# KiCad board HPM6P41_BB.kicad_pcb (continued)
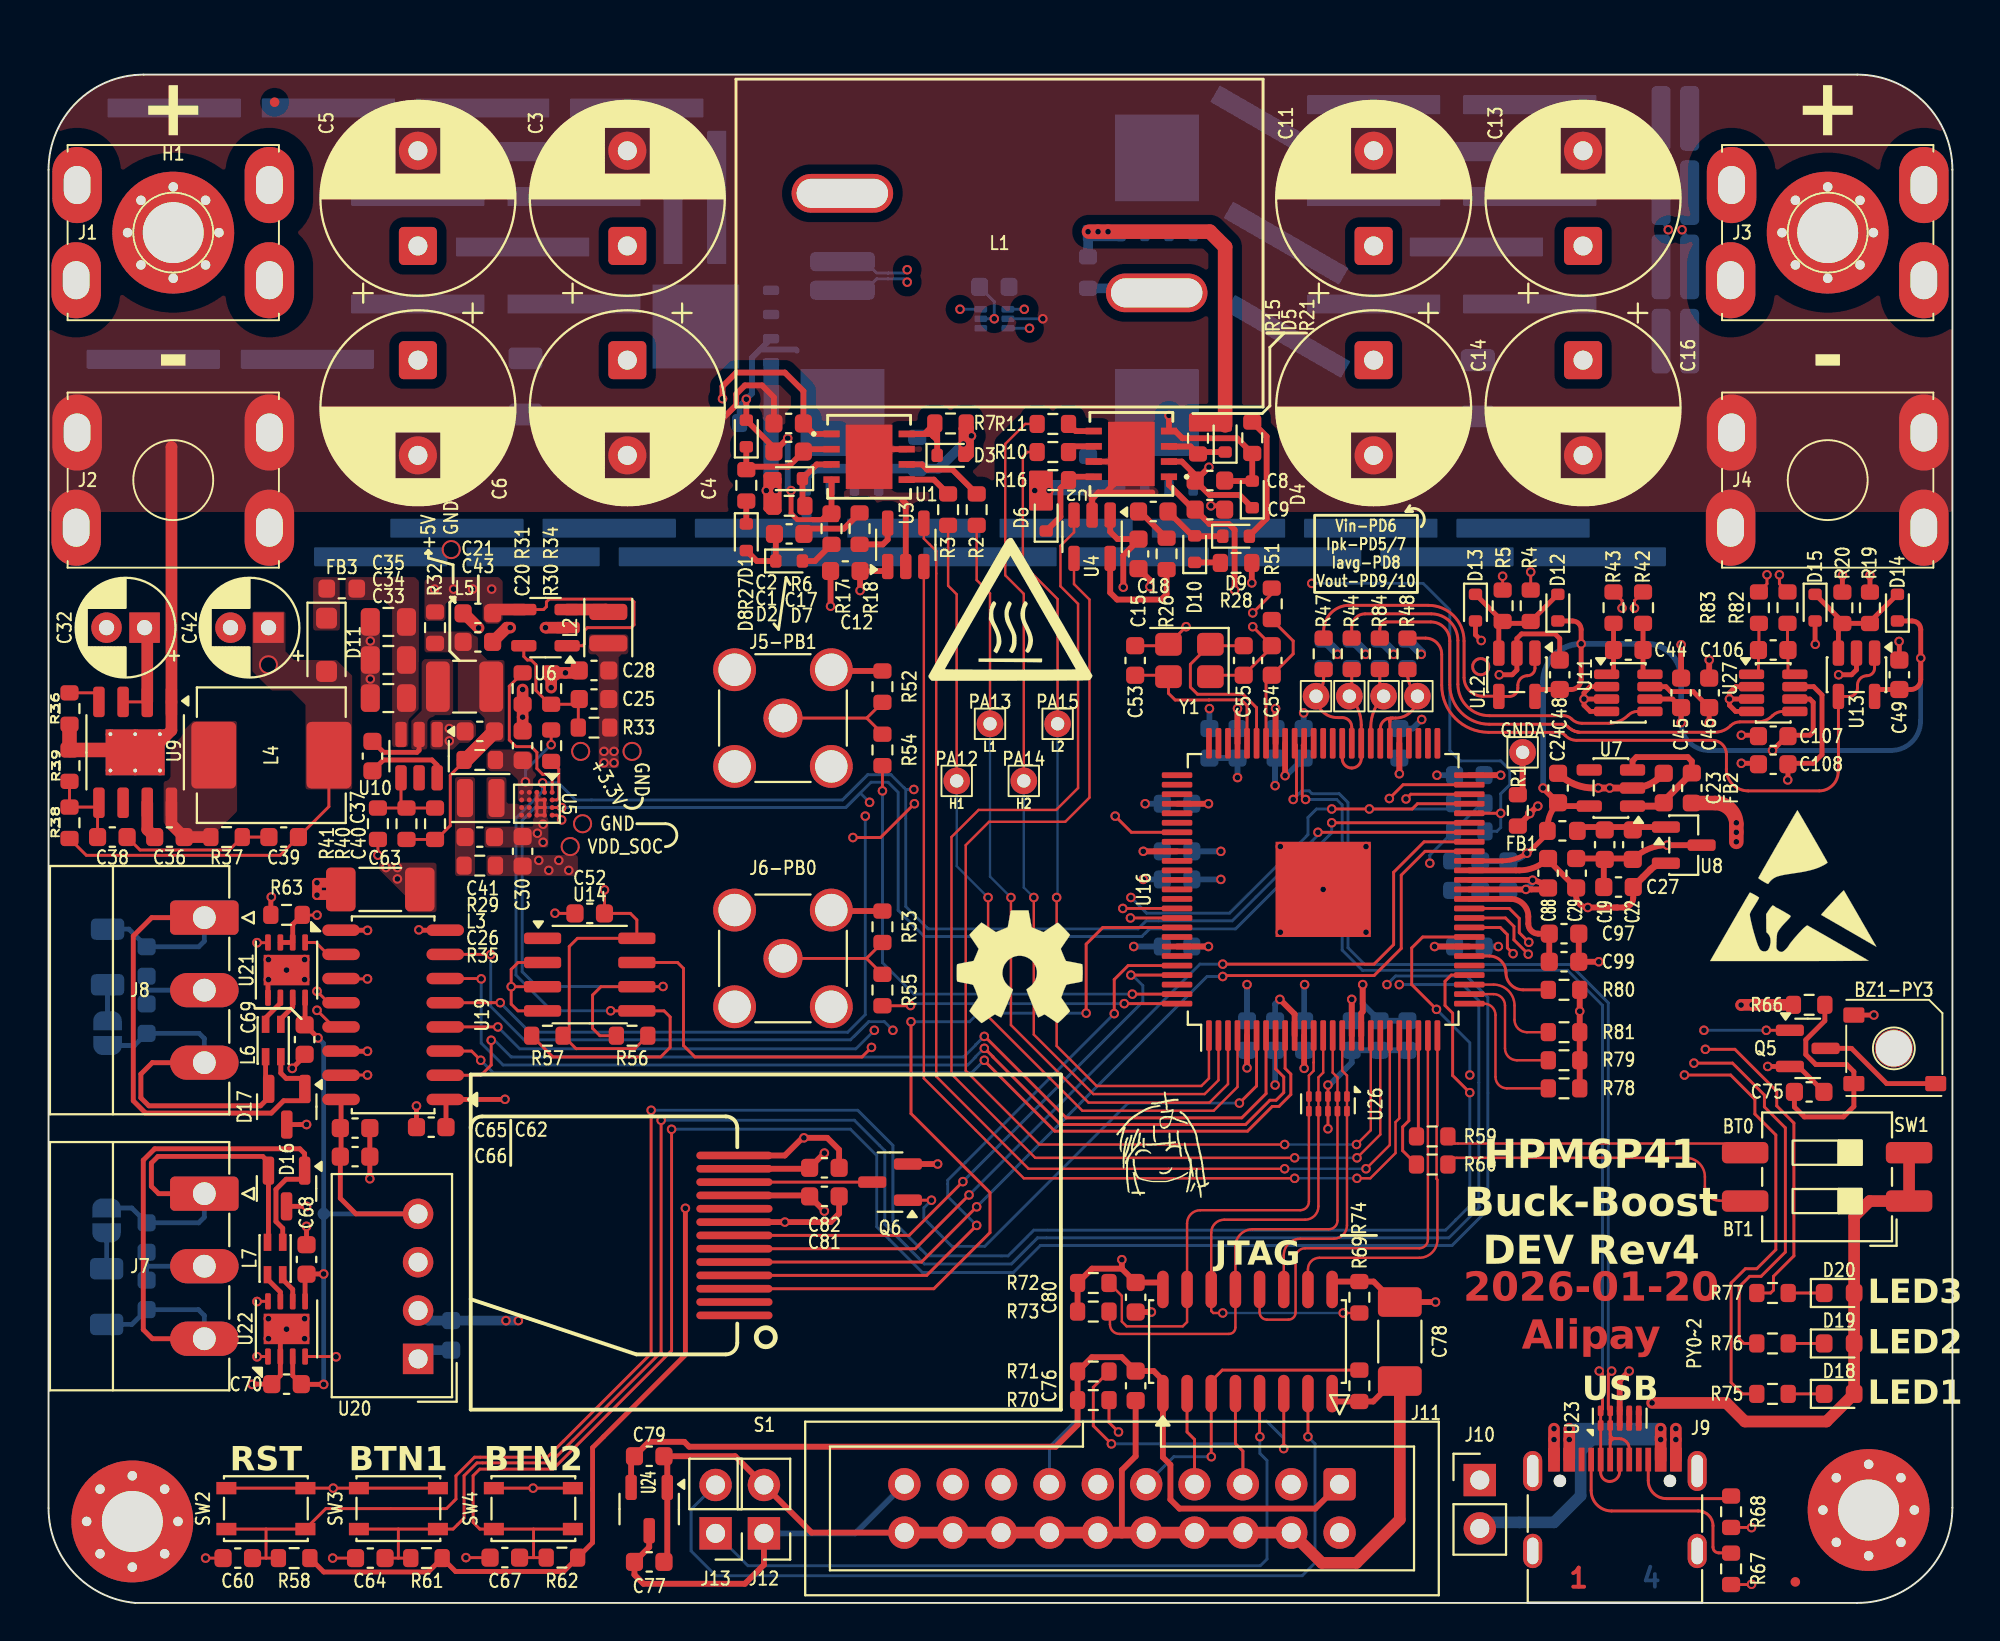
[diagram p0: board, top side]
## Routing (per net, layer and track width the routed paths; a pad name or vN(x,y) marks a point on that pad's centre or on a via; arc(x,y) is an arc through that point) (continued)
VBUS: length 24.7
  Top w0.305: U23.7 U23.4 ; 84.53,8.73 v1(84.68,8.58) ; U23.6 U23.5
  Top w0.61: v1(84.68,9.16) v1(84.68,8.58) J9.A9 ; J9.A4 v1(79.88,8.58) v1(79.88,9.16)
  Bottom w0.61: 75.18,3.93 75.47,4.23 79.08,4.23 80.47,5.63 80.47,7.98 ; 81.08,8.58 v1(79.88,8.58) 80.47,7.98 ; 81.08,8.58 v1(84.68,8.58) ; 81.08,8.58 80.47,7.98 ; v1(79.88,9.16) v1(84.68,9.16)
VDD_SOC: length 21.9
  Top w0.152: U5.A4 26.7,41.38 v1(26.95,41.13)
  Top w0.305: U16.5 v1(62.95,28.11) ; 74.62,43.48 v1(76.28,43.48) ; v1(65.95,28.08) U16.11 ; U16.84 v1(57.5,39.48) ; U16.68 v1(64.45,46.98) ; U16.72 v1(62.45,46.98)
  In2.Cu w0.152: v1(26.8,39) 26.95,39.16 26.95,39.41 ; v1(26.95,41.13) 26.95,39.41 ; 26.95,39.41 arc(27.01,39.26) 27.15,39.2 ; 26.95,39.41 arc(26.89,39.26) 26.75,39.2 26.7,39.2
  Bottom w0.305: v1(76.28,43.48) C91.1 ; v1(62.95,28.11) C87.1 ; v1(65.95,28.08) C90.1 ; v1(64.45,46.98) C92.1 ; C100.1 v1(57.5,38) ; v1(57.5,39.48) C96.1 ; v1(62.45,46.98) C94.1 ; C98.1 v1(60.97,46.98)
  vias: v1(25.75,39) v1(26.28,38.48) v1(27.33,38.48) v2(27.4,39.73)
VIN: length 104.2
  Top w0.152: v1(76.38,53.93) 76.38,53.11 ; U9.3 5.19,47.33
  Top w0.61: 5.19,47.33 5.19,51.09 C32.1
  In2.Cu w0.152: v1(76.38,53.93) 76.78,53.93 77.28,54.43 77.28,76.48 74.97,78.78 33.33,78.78 31.65,77.11 31.65,75.81 30.4,74.56 C3.1
  In2.Cu w0.61: C32.1 5.04,70.47 H1.1
/BB/G1: length 27.7
  Top w0.305: 38.15,59.25 37.75,59.25 37.7,59.2 v1(37.7,58.43) 37.7,57.48 37.85,57.33 ; 37.95,59.13 37.95,58.03 38.08,57.91 R6.2 38.2,57.76 D2.2 38.33,59.05 38.35,59.03 38.35,57.38 38.3,57.33
  Bottom w0.305: v1(38.2,58.43) 38.2,64.89 Q1.4 ; Q1.4 37.7,64.89 v1(37.7,58.43) ; Q1.4 37.95,58.43
/BB/G2: length 17
  Top w0.305: 48.25,60.08 48.45,60.28 48.45,61.73 48.23,61.95 R7.2 ; R7.2 48.08,61.83 D3.2 48.15,60.28 48.3,60.43 48.3,61.58 ; R7.2 48.2,61.93 47.95,61.68 47.95,60.43
  Bottom w0.508: Q2.4 39.8,59.18 40.2,59.58 46.75,59.58 v1(48.05,60.88) v1(48.47,61.3)
/BB/G3: length 19.7
  Top w0.305: R15.2 60.53,61.86 D5.2
  Top w0.762: 54.65,72.03 v1(55.12,72.03) v1(55.65,72.03) 61,72.03 61.8,71.23 D5.2
  Bottom w0.508: 54.6,70.7 v1(54.6,72.03)
/BB/G4: length 1.5
  Top w0.305: R16.2 51.93,58.18 52.4,57.7
  vias: v1(51.8,58.43) v1(52.55,58.43)
/BB/InputVsense+: length 7.4
  Top w0.254: D12.2 77.92,51.63 arc(77.87,51.55) 77.85,51.45 76.38,51.45 ; 76.38,51.45 76.18,51.45 U12.3 ; 76.38,51.45 arc(76.36,51.55) 76.3,51.63 D13.1
/BB/ISENSE2+: length 25
  Top w0.152: v1(90.26,54) 90.26,53.53 R83.1
  In2.Cu w0.152: v1(85.08,72.13) 85.29,71.92 85.29,66.5 86.46,65.33 88.96,65.33 90.44,63.85 90.44,54.18 v1(90.26,54)
  Bottom w0.152: R23.1 84.7,73.04 arc(84.8,72.55) v1(85.08,72.13)
/BB/OutputVsense+: length 7.4
  Top w0.254: 94.21,51.45 94.01,51.45 U13.3 ; 94.21,51.45 95.69,51.45 arc(95.71,51.55) 95.76,51.63 D14.2 ; 94.21,51.45 arc(94.19,51.55) 94.14,51.63 D15.1
/BB/S3: length 12.3
  Top w0.305: v1(58.85,62.38) U2.4 59.18,61.55 59.56,61.18 62.43,61.18 R21.2 D4.2 61.8,58.93 C8.2
  Bottom w0.508: L1.2 57.97,69.06 R13.1
/ISENSE+: length 94.9
  Top w0.152: v1(82.65,52.25) 82.65,52.66 R43.1
  Top w0.254: R17.2 40.95,57.26 40.59,56.9 40.15,56.9 ; 40.15,56.9 41.4,56.9 41.4,56.91 ; 40.15,56.9 40.13,56.92 40.12,56.9 39.33,56.9 39,57.23 v1(39,58.43)
  Top w0.305: 41.12,59.01 R17.2 ; v1(36.65,63.23) D1.2 38.1,60.68 C1.2 38.13,60.48 v1(38.83,61.18)
  In2.Cu w0.152: v1(45.1,69.38) 44.8,69.68 44.8,69.69 44.65,69.84 44.65,70.22 44.8,70.37 44.8,72.24 50.71,78.16 74.66,78.16 76.6,76.22 76.6,55.99 75.28,54.67 75.28,53.59 76.61,52.25 v1(82.65,52.25)
  Bottom w0.152: R12.1 42.9,68.95 43.5,69.55 44.93,69.55 v1(45.1,69.38)
  Bottom w0.305: 37.39,65.84 36.95,65.41 36.95,63.53 v1(36.65,63.23) 36.3,62.88 R8.1 ; 37.39,65.84 Q1.3 ; 37.39,65.84 39.23,65.84 39.3,65.78 ; v1(38.83,61.18) 38.83,58.61 v1(39,58.43)
/ISENSE-: length 73.5
  Top w0.152: R42.1 83.3,52.66 v1(83.3,52.25)
  In2.Cu w0.152: v1(83.3,52.25) 83,51.95 82.99,51.95 82.84,51.8 82.46,51.8 82.31,51.95 76.49,51.95 74.97,53.46 74.97,54.79 76.3,56.12 76.3,76.09 74.54,77.85 50.84,77.85 45.1,72.11 v1(45.1,70.03)
  Bottom w0.152: v1(45.1,70.03) 44.93,69.86 43.5,69.86 42.9,70.45 R12.2
/J_TCK: length 27.4
  Top w0.127: v1(61.68,15.23) 61.18,15.23 61.07,15.34 U25.14 61.07,19.45 arc(61.27,19.93) 61.75,20.13 66,20.13 arc(66.49,20.34) 66.7,20.83 U26.7 U26.4 66.7,27.61 66.95,27.86 U16.13 ; R74.2 v1(68,15.23)
  Bottom w0.127: v1(68,15.23) v1(61.68,15.23)
/J_TDI: length 28
  Top w0.127: U16.14 67.45,27.86 67.7,27.61 U26.2 U26.9 67.7,20.08 arc(67.57,19.76) 67.25,19.63 63.25,19.63 arc(62.61,19.36) 62.34,18.72 U25.13 62.34,14.47 arc(62.24,14.23) 62,14.13 56.25,14.13 arc(55.9,14.28) 55.75,14.63 55.75,15.25 arc(55.74,15.29) R73.2
/J_TDO: length 16.1
  Top w0.127: U25.11 64.88,18.26 arc(65.13,18.88) 65.75,19.13 67.5,19.13 arc(67.99,19.34) 68.2,19.83 U26.10 U26.1 68.2,27.7 67.95,27.95 U16.15
/J_TMS: length 27
  Top w0.127: U16.12 66.45,28.39 66.44,28.39 66.44,27.95 66.2,27.7 U26.5 U26.6 66.2,21.08 arc(66.07,20.76) 65.75,20.63 60.5,20.63 arc(60.01,20.42) 59.8,19.93 U25.15 59.8,14.75 59.58,14.53 56.62,14.53 56.38,14.78 56.38,16.13 R72.2
/MCU_MISC2/CON_RX: length 38.7
  Top w0.152: U25.5 63.61,8.75 v1(63.62,8.73)
  Bottom w0.152: J13.1 36.73,1.95 63.65,1.95 64,2.31 64,7.48 63.62,7.86 v1(63.62,8.73)
/MCU_MISC2/CON_TCK: length 16
  Top w0.152: v1(61.08,7.68) 61.07,7.69 U25.3 61.07,11.65 61.65,12.23 R69.2
  Bottom w0.152: J11.9 59.1,7.68 v1(61.08,7.68)
/MCU_MISC2/CON_TDI: length 18.3
  Top w0.152: U25.4 62.34,8.36 62.73,7.97 J11.5 ; R71.2 54.88,11.33 54.88,9.31 v1(55.83,8.36)
  Bottom w0.152: J11.5 62.73,7.97 62.35,8.36 v1(55.83,8.36)
/MCU_MISC2/CON_TDO: length 18.6
  Top w0.152: v1(64.88,8.11) 64.88,8.11 U25.6
  Bottom w0.152: v1(64.88,8.11) 64.88,8.66 63.97,9.56 53.93,9.56 52.57,8.2 J11.13
/MCU_MISC2/CON_TMS: length 13.3
  Top w0.152: v1(56.2,8.98) 55.7,9.48 R70.2 ; J11.7 60.19,8.59 59.8,8.98 U25.2
  In2.Cu w0.152: v1(56.2,8.98) 59.8,8.98 60.19,8.59 J11.7
/MCU_MISC2/CON_TX: length 46.6
  Top w0.152: v1(66.15,8.73) U25.7
  Bottom w0.152: J13.2 33.75,4.91 33.75,2.73 35.05,1.43 65.85,1.43 66.53,2.11 66.53,8.36 v1(66.15,8.73)
/MCU_MISC/485_DE_ISO: length 10.2
  Top w0.152: U19.13 14.97,30.26 v3(14.1,31.13) ; R63.2 13.34,36.13 v3(14.1,36.13)
  Top w0.254: R63.2 12.83,35.64 U21.2 12.18,34.69
  In2.Cu w0.152: v3(14.1,36.13) 14.1,32.93 14.65,32.38 14.65,31.88 14.1,31.33 v3(14.1,31.13)
/MCU_MISC/485_RX_ISO: length 2.1
  Top w0.152: U19.10 14.66,34.07 14.04,34.69 13.48,34.69
/MCU_MISC/485_TX_ISO: length 7.6
  Top w0.152: U19.12 14.7,31.53 v3(14.1,32.13) ; U21.4 11.51,34.68 v3(10.95,34.68)
  In2.Cu w0.152: v3(10.95,34.68) 10.95,32.38 11.2,32.13 v3(14.1,32.13)
/MCU_MISC/CAN_RXD_ISO: length 24.1
  Top w0.152: v3(16.75,32.78) 15.38,32.78 U19.11 ; 13.48,12.94 15.09,12.94 v3(15.1,12.93)
  In2.Cu w0.152: v3(15.1,12.93) 15.1,31.98 15.9,32.78 v3(16.75,32.78)
/MCU_MISC/CAN_STBY_ISO: length 26.7
  Top w0.152: v3(10.95,15.83) 10.96,15.84 U22.8
  Top w0.254: U19.14 15.37,28.98 v3(16.75,28.98)
  In2.Cu w0.152: v3(16.75,28.98) 15.9,28.98 15.5,28.58 15.5,13.33 15.6,13.23 15.6,12.68 15.35,12.43 14.85,12.43 14.35,12.93 11.7,12.93 10.95,13.68 v3(10.95,15.83)
/MCU_MISC/CAN_TXD_ISO: length 23.6
  Top w0.152: v3(16.75,27.73) 15.38,27.73 U19.15 ; U22.1 10.96,12.94 v3(10.95,12.93)
  In2.Cu w0.152: v3(16.75,27.73) 16,27.73 15.9,27.63 15.9,13.48 16,13.38 16,12.53 15.5,12.03 14.7,12.03 14.2,12.53 11.35,12.53 v3(10.95,12.93)
/MCU_MISC/RESETN: length 105.8
  Top w0.152: 74.62,32.98 73.68,32.98 73.35,32.66 73.35,31.38 73.75,30.98 73.75,27.7 v1(74.65,26.81) ; C60.2 11.43,2.36 ; 11.43,2.36 11.43,3.88 ; 11.43,2.36 R58.2 ; v1(31.65,25.88) 31.65,13.11 26.2,7.66 22.38,7.66 21.4,6.68 21.4,5.45 20.9,4.95 14.57,4.95 SW2.2 11.43,3.88 ; 11.43,3.88 SW2.2
  Bottom w0.152: v1(31.65,25.88) 42.5,25.88 44.35,24.03 44.35,20.06 46.18,18.23 50.4,18.23 51.75,19.58 73.38,19.58 74.65,20.86 v1(74.65,26.81)
/MCU_MISC/XTALI: length 9
  Top w0.152: U16.71 62.95,47.13 62.65,47.43 60.95,47.43 60.95,47.43 59.18,47.43 58.83,47.78 Y1.3 58.75,48.73 C53.1
/MCU_MISC/XTALO: length 10.3
  Top w0.152: C55.1 61.1,50.28 61.03,50.36 59.97,49.31 59.97,48.11 60.35,47.73 62.75,47.73 63.45,47.03 U16.70
/PA0: length 19.5
  Top w0.127: U16.25 72.95,25.08 72.91,25.04 72.91,22.27 72.95,22.23 72.95,19.08 arc(72.67,18.41) 72,18.13 66.75,18.13 arc(66.33,17.95) 66.15,17.53 U25.10
/PA1: length 24.6
  Top w0.127: U25.12 63.61,15.27 arc(63.72,14.99) 64,14.88 65.12,14.88 arc(65.39,14.99) 65.5,15.26 65.5,18.13 arc(65.65,18.48) 66,18.63 72,18.63 arc(72.32,18.76) 72.45,19.08 U16.24
/PA2: length 5.3
  Top w0.152: U16.23 71.95,24.6 R59.2
/PA3: length 7.2
  Top w0.152: R60.2 71.12,23.75 71.12,25 71.45,25.33 U16.22
/PA8: length 50.7
  Top w0.152: v1(49.15,28.5) 49.15,28.48 52.85,24.78 62.97,24.78 64.28,26.08 64.62,26.08 65.25,26.7 65.25,27.78 64.95,28.08 U16.9 ; U19.3 22.22,28.99 v1(22.7,28.5)
  Bottom w0.152: v1(49.15,28.5) 48.5,27.86 23.35,27.86 v1(22.7,28.5)
/PA9: length 53.8
  Top w0.152: v1(49.15,29.13) 49.32,28.96 49.34,28.96 49.6,28.69 49.6,28.68 53.15,25.13 62.88,25.13 64.15,26.41 64.47,26.41 64.88,26.81 64.88,27.63 64.45,28.05 U16.8 ; v1(22.73,32.78) 22.71,32.8 U19.6
  Bottom w0.152: v1(49.15,29.13) 48.98,28.96 48.96,28.96 48.7,28.69 48.7,28.68 48.27,28.25 23.88,28.25 22.73,29.41 v1(22.73,32.78)
/PA10: length 50.8
  Top w0.152: U16.7 63.95,26.75 62.68,25.48 53.45,25.48 49.17,29.76 v1(49.15,29.76) ; U19.2 22.71,27.72 23.25,28.25 v1(23.25,29.56)
  Bottom w0.152: v1(49.15,29.76) 48.98,29.59 48.96,29.59 48.7,29.32 48.7,29.3 48.07,28.68 24.3,28.68 23.43,29.56 v1(23.25,29.56)
/PA11: length 26.6
  Top w0.152: v1(62.55,26.25) 63.45,27.16 U16.6 ; Q6.1 v1(46.38,21.16)
  Bottom w0.152: v1(62.55,26.25) 56.7,26.25 49.18,18.73 47.45,18.73 45.98,20.2 45.98,20.75 v1(46.38,21.16)
/PA12: length 45
  Top w0.127: PA12.1 47.7,52.98 47.25,53.43 R3.2 ; U16.4 62.45,27.11 61.2,25.86 54.3,25.86 49.35,30.81 v1(49.35,37.06)
  Bottom w0.127: v1(49.35,37.06) 47.7,38.7 PA12.1
/PA13: length 43
  Top w0.127: v1(50.55,37.06) 50.55,30.36 54.62,26.28 60.97,26.28 61.95,27.26 U16.3 ; PA13.1 49.45,53.03 48.75,53.73 R2.2
  Bottom w0.127: v1(50.55,37.06) 49.45,38.16 PA13.1
/PA14: length 47.4
  Top w0.127: U16.2 61.45,27.45 60.72,26.73 54.88,26.73 51.75,29.86 v1(51.75,37.06) ; PA14.1 51.23,53 50.25,53.98 50.25,60.88 51.3,61.93 R11.2
  Bottom w0.127: PA14.1 51.23,37.58 v1(51.75,37.06)
/PA15: length 43.9
  Top w0.127: U16.1 60.95,27.56 60.55,27.16 55.05,27.16 52.95,29.25 v1(52.95,37.06) ; PA15.1 53,52.73 51.18,54.55 51.18,60.2 51.43,60.45 R10.2
  Bottom w0.127: v1(52.95,37.06) 53,37.11 PA15.1
/PA16: length 60.6
  Top w0.127: v1(68.72,22.31) 69.43,22.31 70.75,23.63 70.75,25.25 70.95,25.46 U16.21 ; v1(65.45,22.31) 51.23,22.31 45.97,27.56 U3.3
  Bottom w0.127: v1(65.45,22.31) v1(68.72,22.31)
/PA17: length 61.4
  Top w0.127: v1(64.93,22.81) 51.48,22.81 46.62,27.66 46.62,55.26 45.97,55.91 U3.4 ; U16.20 70.45,24.06 v1(69.2,22.81)
  Bottom w0.127: v1(64.93,22.81) v1(69.2,22.81)
/PA18: length 65.2
  Top w0.127: v1(65.45,23.38) 51.83,23.38 47.43,27.78 47.43,40.23 48.85,41.66 52.93,41.66 54.08,42.81 54.08,52.48 53.15,53.41 53.15,55.53 53.86,56.24 U4.3 ; U16.19 69.95,24.61 v1(68.72,23.38)
  Bottom w0.127: v1(65.45,23.38) v1(68.72,23.38)
/PA19: length 60.5
  Top w0.127: U16.18 69.45,24.83 v1(68.7,24.08) ; v1(64.93,24.08) 52.05,24.08 48.18,27.95 48.18,39.81 49.4,41.03 53.4,41.03 54.68,42.31 54.68,52.7 53.86,53.52 U4.4
  Bottom w0.127: v1(64.93,24.08) v1(68.7,24.08)
/PB0: length 15.5
  Top w0.152: v1(56.5,31.48) U16.100 ; v1(45.28,31.38) 45.26,31.37 R55.2
  Bottom w0.152: v1(45.28,31.38) 45.38,31.48 v1(56.5,31.48)
/PB1: length 26.5
  Top w0.152: v1(56.93,31.98) U16.99 ; R54.2 v1(43.8,42.66)
  Bottom w0.152: v1(43.8,42.66) 43.8,33.63 45.45,31.98 v1(56.93,31.98)
/PB3: length 30.7
  Top w0.152: v1(56.85,32.98) U16.97 ; v1(48.03,22.13) 45.2,19.31 S1.7
  Bottom w0.152: v1(48.03,22.13) 57.47,31.58 57.47,32.43 56.93,32.98 v1(56.85,32.98)
/PB4: length 34.6
  Top w0.152: U16.96 56.71,33.48 55.97,32.75 v1(55.97,30.95) ; v1(48.75,19.83) 46.13,17.21 S1.4
  Bottom w0.152: v1(55.97,30.95) 47.23,22.2 47.23,21.36 v1(48.75,19.83)
/PB13: length 45.6
  Top w0.152: S1.3 46.5,16.5 49.45,19.45 49.45,21.56 45.3,25.7 v1(45.3,30.53) ; U16.92 55.38,35.48 54.5,34.61 v1(54.5,30.98)
  Bottom w0.152: v1(45.3,30.53) 48.38,30.53 48.83,30.98 v1(54.5,30.98)
/PB14: length 48.3
  Top w0.152: U16.91 v1(56.83,35.98) ; U19.7 23.21,34.07 v1(23.23,34.06)
  In2.Cu w0.152: v1(44.35,30.08) 43.88,30.56 43.88,34.63 44.73,35.48 54.5,35.48 55,35.98 v1(56.83,35.98)
  Bottom w0.152: v1(23.23,34.06) 23.23,31.33 24.98,29.58 42.12,29.58 43.08,30.53 43.9,30.53 v1(44.35,30.08)
/PB15: length 44.8
  Top w0.152: v1(23.6,30.25) 23.6,30.26 U19.4 ; U16.90 v1(56.43,36.48)
  In2.Cu w0.152: v1(56.43,36.48) 54.83,36.48 54.28,35.93 44.48,35.93 43.38,34.83 v1(43.38,30.08)
  Bottom w0.152: v1(23.6,30.25) 24.75,29.11 42.4,29.11 v1(43.38,30.08)
/PC13: length 50.2
  Top w0.152: v1(56.03,41.33) 56.88,40.48 U16.82 ; U19.5 23.25,31.53 23.25,31.53 v1(23.73,31.53)
  In2.Cu w0.152: v1(42.9,41.33) v1(56.03,41.33)
  Bottom w0.152: v1(42.9,41.33) 42.9,30.91 41.98,29.98 25.43,29.98 25.33,30.08 25.18,30.08 v1(23.73,31.53)
/PD5: length 8.7
  Top w0.152: R44.2 68.45,47.93 arc(68.42,47.77) TP5.1 arc(68.79,46.94) 68.95,46.12 U16.59 68.95,44.36 arc(68.8,44) 68.45,43.86 arc(68.1,44) 67.95,44.36 U16.61
  Bottom w0.152: C47.1 68.45,47.93 arc(68.42,47.77) TP5.1
/PD6: length 6.7
  Top w0.152: R47.2 66.97,48.6 arc(66.87,48.07) TP9.1 arc(66.9,46.83) 67.7,46.5 67.95,46.5 arc(68.3,46.36) 68.45,46 U16.60
  Bottom w0.152: C50.1 66.97,48.6 arc(66.87,48.07) TP9.1
/PD8: length 5.6
  Top w0.152: R84.2 69.93,48.11 arc(69.98,47.85) TP7.1 arc(69.63,46.88) 69.45,46 U16.58
  Bottom w0.152: C109.1 69.93,48.11 arc(69.98,47.85) TP7.1
/PD10: length 8.7
  Top w0.152: U16.56 70.45,46.28 ; 70.45,46.28 70.45,46.33 ; 70.45,46.28 70.45,46.43 arc(70.46,46.47) 70.5,46.48 ; 70.5,46.48 70.6,46.48 ; 70.5,46.48 arc(70.11,46.32) 69.95,45.93 U16.57 ; 70.6,46.48 70.75,46.48 arc(71.56,46.82) TP8.1 arc(71.51,48.21) 71.38,48.9 R48.2 ; 70.6,46.48 arc(70.49,46.44) 70.45,46.33 70.45,46.33 ; 70.45,46.33 arc(70.41,46.41) 70.33,46.45
  Bottom w0.152: C51.1 71.38,48.9 arc(71.51,48.21) TP8.1
/PD20: length 116.4
  Top w0.152: 25.48,3.88 SW4.2 22.65,3.88 22.3,4.23 22.3,6.68 22.65,7.03 26.5,7.03 32.73,13.25 v1(32.73,24.88) ; 25.48,3.88 SW4.2 ; 25.48,3.88 25.48,2.38 ; 25.48,2.38 R62.2 ; 25.48,2.38 C67.2 ; 74.62,42.98 71.15,42.98 v1(70.43,42.25)
  In2.Cu w0.152: v1(70.43,42.25) 70.43,32.66 70.3,32.66
  Bottom w0.152: v1(32.73,24.88) 32.73,24.88 42.12,24.88 43.5,23.5 43.5,19.75 45.9,17.36 50.68,17.36 52.1,18.78 73.72,18.78 75.6,20.66 75.6,31.81 74.47,32.93 70.75,32.93 v1(70.3,32.48)
/PD21: length 114.3
  Top w0.152: 74.62,42.48 71.55,42.48 v1(71.3,42.23) ; 18.38,3.88 SW3.2 ; 18.38,3.88 18.38,2.36 ; 18.38,3.88 SW3.2 21.25,3.88 21.83,4.45 21.83,6.68 22.5,7.36 26.35,7.36 32.18,13.18 v1(32.18,25.36) ; C64.2 18.38,2.36 ; 18.38,2.36 R61.2
  In2.Cu w0.152: v1(71.3,42.23) 70.88,41.81 70.88,32.73 70.95,32.65
  Bottom w0.152: v1(32.18,25.36) 42.33,25.36 43.93,23.75 43.93,19.88 46,17.81 50.58,17.81 51.95,19.18 73.55,19.18 75.18,20.81 75.12,20.86 75.12,31.63 74.28,32.48 v1(70.95,32.48)
/PD22: length 63.5
  Top w0.152: v1(67.4,41.7) 71.62,41.7 71.9,41.98 74.62,41.98 ; v1(43.23,29.18) 42.73,28.68 33.95,28.68 33.35,29.28 33.35,33.33 33.04,33.64 U14.7
  In2.Cu w0.152: v1(43.23,29.18) 42.78,29.63 42.78,35 44.18,36.41 54,36.41 54.65,37.06 v1(56.85,37.06)
  Bottom w0.152: v1(67.4,41.7) 66.6,41.7 66.15,41.25 66.15,40.36 62.03,36.23 57.68,36.23 v1(56.85,37.06) ; R49.1 73.5,41.7 v1(69.38,41.7)
/PD23: length 52.6
  Top w0.152: 74.62,41.48 v1(76.28,41.48)
  In2.Cu w0.152: v1(51.53,66.95) 51.9,66.58 64.43,66.58 66.12,64.88 66.12,53.78 v1(66.35,53.56)
  Bottom w0.152: v1(66.35,53.56) 72.2,53.56 73.6,52.16 73.6,44.78 74.15,44.23 76.28,44.23 76.75,43.75 76.75,42.98 76.28,42.5 v1(76.28,41.48) 76.28,40.73 76.08,40.53 R50.1 ; U15.3 v1(51.53,66.95)
/PD24: length 151
  Top w0.152: R56.1 28.96,29.8 28.58,30.18 28.58,31.93 29.02,32.37 U14.6 32.27,32.37 v1(32.28,32.38) ; U5.A3 v1(26.95,41.78) ; v1(67.4,40.98) 74.62,40.98
  In2.Cu w0.152: v1(51.25,67.95) 48.55,67.95 48.08,68.43 47.53,68.43 47.33,68.23 47.33,67.78 49.5,65.61 63.97,65.61 65.1,64.48 65.1,52.16 61.45,48.5 46.15,48.5 45.12,47.48 45.12,43.16 44.03,42.06 v1(43.12,42.06)
  Bottom w0.152: v1(67.4,40.98) 67.4,40.45 62.35,35.41 57.83,35.41 57.43,35 46,35 44.62,36.38 44.62,42.58 44.1,43.11 43.2,43.11 41.88,41.78 ; 41.88,41.78 v1(26.95,41.78) 25.55,41.78 24.88,41.11 24.88,33.16 25.65,32.38 v1(32.28,32.38) ; 41.88,41.78 42.64,42.54 v1(43.12,42.06) ; U15.1 v1(51.25,67.95)
/PD25: length 148.1
  Top w0.152: U5.B1 26.05,42.98 v1(25.95,43.08) ; v1(29.53,31.11) 29.53,31.1 U14.5 32.33,31.1 32.65,30.78 32.65,29.18 32.15,28.68 26.49,28.68 R57.1 ; v1(66.68,40.48) 74.62,40.48
  In2.Cu w0.152: v1(47.88,67.95) 49.9,65.93 64.12,65.93 65.45,64.61 65.45,52 61.62,48.18 46.3,48.18 45.45,47.33 v1(45.45,42.73)
  Bottom w0.152: v1(47.88,67.95) U15.6 ; 45.03,42.73 44.25,43.5 43.03,43.5 41.7,42.18 27.68,42.18 26.78,43.08 v1(25.95,43.08) 25.95,42.63 24.55,41.23 24.55,32.98 26.43,31.11 v1(29.53,31.11) ; 45.03,42.73 45.03,36.58 46.2,35.41 57.22,35.41 57.65,35.83 62.18,35.83 66.68,40.33 v1(66.68,40.48) ; 45.03,42.73 v1(45.45,42.73)
/PD26: length 49.7
  Top w0.152: S1.6 45.52,18.6 v1(48.35,21.43) ; 74.62,39.98 72.25,39.98 70.65,38.38 70.65,34.58 69.62,33.56 v1(61.68,33.56)
  Bottom w0.152: v1(61.68,33.56) 60.47,33.56 v1(48.35,21.43)
/PD27: length 49.8
  Top w0.152: v1(61.68,32.91) 61.72,32.95 69.62,32.95 71.05,34.38 71.05,38.23 72.3,39.48 74.62,39.48 ; S1.5 45.85,17.91 v1(48.75,20.81)
  Bottom w0.152: v1(48.75,20.81) 60.85,32.91 v1(61.68,32.91)
/PY0: length 45
  Top w0.152: 89.72,10.98 88.97,10.98 88.38,11.58 88.38,16.81 89.12,17.56 89.72,17.56 90.72,18.56 90.72,24.58 89.62,25.68 89.62,26.45 88.35,27.73 v1(85.93,27.73) ; 74.62,34.98 72.18,34.98 71.6,34.41 71.6,32.48 v1(72.9,31.18)
  In2.Cu w0.152: v1(74.65,27.73) v1(85.93,27.73)
  Bottom w0.152: v1(72.9,31.18) 74.65,29.43 v1(74.65,27.73)
/PY1: length 36.2
  Top w0.152: 89.72,13.63 89.05,13.63 88.8,13.88 88.8,16.61 89.35,17.16 89.95,17.16 91.22,18.43 91.22,24.95 90.12,26.06 90.12,26.68 88.45,28.36 v1(86.43,28.36) ; 74.62,35.48 76.25,35.48 76.62,35.11 76.62,34.41 v1(76.93,34.11)
  In2.Cu w0.152: v1(86.43,28.36) 81.03,28.36 76.93,32.45 v1(76.93,34.11)
/PY2: length 33.3
  Top w0.152: 89.72,16.28 90.45,16.28 90.6,16.43 90.6,17.16 91.68,18.23 91.68,25.2 90.78,26.11 90.78,26.88 88.58,29.08 v1(87.03,29.08) ; v1(77.72,34.08) 76.97,34.83 76.97,35.54 76.53,35.98 74.62,35.98
  In2.Cu w0.152: v1(87.03,29.08) 81.43,29.08 77.72,32.78 v1(77.72,34.08)
/PY3: length 19.9
  Top w0.152: v1(77.75,34.7) 77.25,35.2 77.25,35.95 76.72,36.48 74.62,36.48 ; v1(90.22,30.08) Q5.1
  In2.Cu w0.152: v1(86.95,30.08) 82.38,30.08 v1(77.75,34.7)
  Bottom w0.152: v1(86.95,30.08) v1(90.22,30.08)
CP_S1: length 6.1
  Top w0.305: 41.12,60.6 39.77,60.6 C1.1 38.86,59.69 36.81,59.69 R27.1 D1.1
CP_S3: length 14.6
  Top w0.305: C8.1 60.22,59.26 59.52,59.96 U2.2 ; C8.1 60.25,58.95 v1(60.95,59.66) ; C8.1 60.98,58.2 62.56,58.2 D4.1 ; v1(63.2,53.58) R28.1
  In2.Cu w0.305: v1(60.95,59.66) 63.2,57.41 v1(63.2,53.58)
ISO_GND: length 66.1
  Top w0.305: C78.2 70.65,11.65 69.58,10.58 R69.1 67.43,10.58 ; 32.35,2.13 32.5,2.28 U24.1 32.5,7.53 32.33,7.7 36.07,7.7 J12.2 40.08,3.69 J11.20 ; 56.38,3.69 56.38,6.98 57.1,7.7 C76.1
  Top w0.61: C78.2 70.97,4.38 68.7,2.11 66.88,2.11 65.29,3.69 J11.4 J11.20
ISO_GNDC: length 27.9
  Top w0.254: U21.5 11.53,32.81 11.96,33.24 v3(12.5,33.24) ; v3(12.8,28.08) 13.45,28.73 C69.1 ; v3(16.75,35.33) 16.74,35.34 U19.9 ; D16.3 13.4,20.83 13.4,20.83 v3(13.55,20.83) ; v3(10.7,11.48) 10.71,11.49 C70.1 12.18,11.94 12.18,14.07 U22.9 ; C68.1 v3(13.55,19.78) ; R63.1 11.67,37.05 v3(11.7,37.08) ; v1(16.88,22.28) C66.2 C65.1 ; D17.3 13.2,25.13 13.2,25.13 v3(13.55,25.13)